# Allegro board PCIe3_0_X16_V1_0-166-20240802_20240828_pcb.brd (continued)
## Routing (per net, layer and track width the routed paths; a pad name or vN(x,y) marks a point on that pad's centre or on a via; arc(x,y) is an arc through that point) (continued)
BPI_FLASH_DQ_10: length 44.1
  TOP w0.127: U1.AG27 v1(116.32,71.23)
  TOP w0.155: U2.F3 v1(116.95,101.46)
  ART10 w0.086: v1(116.95,101.46) 116.95,101.52 116.42,102.06 115.73,102.06 115.35,102.44 115.35,102.79 115.23,102.92 113.78,102.92 113.36,102.5 113.36,101.21 112.71,100.56 111.8,100.56 110.91,99.67 110.91,89.51 110.59,89.19 110.59,84.01 110.79,83.81 110.79,72.03 111.1,71.73 115.82,71.73 v1(116.32,71.23)
BPI_FLASH_DQ_11: length 39.3
  TOP w0.127: U1.AH27 v1(117.32,71.23)
  TOP w0.155: U2.F4 v1(115.95,100.46)
  ART10 w0.086: v1(117.32,71.23) 116.83,71.72 116.83,72.78 116.91,72.87 117.16,72.87 117.25,72.95 117.25,73.13 117.16,73.21 116.91,73.21 116.83,73.3 116.83,74.47 115.56,75.74 115.11,75.74 114.83,76.02 114.83,83.36 114.55,83.64 114.25,83.64 113.97,83.92 113.97,84.26 113.74,84.48 113.56,84.48 113.47,84.57 113.47,84.74 113.56,84.83 113.81,84.83 113.89,84.92 113.89,85.09 113.81,85.17 113.56,85.17 113.47,85.26 113.47,85.43 113.56,85.52 113.74,85.52 113.83,85.61 113.83,85.78 113.74,85.87 113.56,85.87 113.47,85.95 113.47,86.12 113.56,86.21 113.74,86.21 113.83,86.3 113.83,86.47 113.74,86.56 113.56,86.56 113.47,86.64 113.47,86.82 113.56,86.9 113.74,86.9 113.83,86.99 113.83,87.16 113.74,87.25 113.56,87.25 113.47,87.33 113.47,87.51 113.56,87.59 113.74,87.59 113.83,87.68 113.83,87.85 113.74,87.94 113.56,87.94 113.47,88.02 113.47,88.2 113.56,88.28 113.74,88.28 113.83,88.37 113.83,88.54 113.74,88.63 113.56,88.63 113.47,88.72 113.47,88.89 113.56,88.97 113.74,88.97 113.83,89.06 113.83,89.23 113.74,89.32 113.56,89.32 113.47,89.41 113.47,89.58 113.56,89.67 113.74,89.67 113.83,89.75 113.83,89.92 113.74,90.01 113.56,90.01 113.47,90.1 113.47,90.27 113.56,90.36 113.74,90.36 113.83,90.44 113.83,90.62 113.74,90.7 113.56,90.7 113.47,90.79 113.47,90.96 113.56,91.05 113.74,91.05 113.83,91.13 113.83,92.02 114.5,92.7 114.5,94.2 115.5,95.2 115.5,99.95 115.95,100.4 v1(115.95,100.46)
BPI_FLASH_DQ_12: length 37.1
  TOP w0.127: U1.AK31 v1(119.32,75.23)
  TOP w0.155: U2.F5 v1(115.95,101.46)
  ART03 w0.086: v1(115.95,101.46) 115.53,101.04 115.53,99.83 116.27,99.1 116.27,96.04 117.92,94.39 117.92,93.14 118.15,92.91 118.94,92.91 119.03,93 119.03,93.51 119.12,93.6 119.29,93.6 119.38,93.51 119.38,93 119.46,92.91 119.63,92.91 119.72,93 119.72,93.51 119.81,93.6 119.98,93.6 120.07,93.51 120.07,93 120.31,92.76 120.31,92.53 120.86,91.97 121.96,91.97 122.49,91.44 122.49,84.84 121.85,84.2 121.85,78.94 121.58,78.66 120,78.66 119.71,78.37 119.71,75.62 v1(119.32,75.23)
BPI_FLASH_DQ_13: length 37.1
  TOP w0.127: U1.AL31 v1(120.32,75.23)
  TOP w0.155: U2.H5 v1(114.95,102.46)
  ART03 w0.086: v1(114.95,102.46) 115.35,102.07 116.21,102.07 116.52,101.75 116.52,96.29 118.83,93.98 120.33,93.98 120.46,94.11 121.17,94.11 121.37,93.91 121.5,93.59 121.5,92.86 122.22,92.14 122.34,92.14 122.5,92.3 122.62,92.3 122.74,92.18 122.74,92.05 122.59,91.9 122.59,91.77 122.79,91.57 122.79,85.27 122.88,85.19 123.01,85.19 123.1,85.1 123.1,84.93 123.01,84.84 122.88,84.84 122.79,84.75 122.79,84.63 122.13,83.97 122.13,78.23 121.68,77.77 120.18,77.77 119.93,77.53 119.93,75.62 v1(120.32,75.23)
BPI_FLASH_DQ_14: length 45.1
  TOP w0.127: U1.AM28 v1(121.32,71.23)
  TOP w0.155: U2.G7 v1(112.95,102.46)
  ART10 w0.086: v1(121.32,71.23) 121.32,71.8 122.2,72.68 122.4,72.68 122.91,73.2 122.91,83.51 124.2,84.79 124.29,85.02 124.29,98.65 123.43,99.52 121.14,99.52 118.68,101.98 116.88,101.98 116.44,102.41 116.44,102.74 116.22,102.97 115.81,102.97 115.4,103.38 115.4,103.61 115.12,103.89 113.52,103.89 112.95,103.31 v1(112.95,102.46)
BPI_FLASH_DQ_15: length 38.6
  TOP w0.127: U1.AM29 v1(121.32,73.23)
  TOP w0.155: U2.E7 v1(113.95,100.46)
  ART03 w0.086: v1(121.32,73.23) 120.86,72.77 116.14,72.77 115.93,72.98 115.93,78.43 116.13,78.63 116.57,78.63 116.91,78.97 116.91,79.42 117.11,79.62 117.54,79.62 117.93,80.01 117.93,80.44 118.12,80.63 118.62,80.63 118.81,80.82 118.81,83.82 115.61,87.02 115.61,94.26 114.55,95.32 114.55,99.87 v1(113.95,100.46)
BPI_FLASH_OE_B: length 49
  TOP w0.127: U1.AV29 v1(127.32,72.23)
  TOP w0.155: U2.F8 v1(111.95,101.46)
  ART03 w0.086: v1(111.95,101.46) 111.78,101.71 111.65,101.97 111.54,102.39 111.54,103.73 112.76,104.95 118.91,104.95 123.26,100.6 128.74,87.38 128.74,74.1 128.68,73.95 127.95,72.85 v1(127.32,72.23)
  BOTTOM w0.127: R25.2 111.2,102.21 v1(111.95,101.46)
BPI_FLASH_RST_B: length 6.1
  TOP w0.155: U2.D4 v1(116.95,98.46)
  BOTTOM w0.127: v1(116.95,98.46) 117.49,97.93 117.49,96.39 115.47,94.38 R5.2
BPI_FLASH_WAIT: length 41.5
  TOP w0.127: U1.AP33 v1(123.32,77.23)
  ART10 w0.086: v2(110.33,101.24) 110.79,102.66 111.22,103.69 111.31,103.84 111.68,104.2 112.76,104.65 115.02,104.65 115.73,104.51 116.97,103.99 117.62,103.56 117.89,103.38 119.81,101.46 123.71,99.84 124.6,98.96 124.6,84.99 123.76,82.97 123.76,78.21 123.66,77.83 123.44,77.41 v1(123.32,77.23)
  BOTTOM w0.127: R29.1 v2(110.33,101.24)
BPI_FLASH_WE_B: length 44.2
  TOP w0.127: U1.AV30 v1(126.32,74.23)
  TOP w0.155: U2.G8 v1(111.95,102.46)
  ART03 w0.086: v1(111.95,102.46) 111.95,102.75 112.41,103.2 112.41,103.71 113.05,104.35 118.62,104.35 122.53,100.44 127.9,87.47 127.9,75.81 v1(126.32,74.23)
  BOTTOM w0.127: R28.2 110.98,103.43 v1(111.95,102.46)
DDR4_1_POWER_GOOD: length 1.7
  TOP w0.203: U33.9 86.61,26.68 86.78,26.85 R290.1
DDR4_2_POWER_GOOD: length 1.4
  TOP w0.203: R295.1 U34.9
DDR_POWER_GOOD: length 193.5
  TOP w0.305: R295.2 v2(129.06,103.55) ; R290.2 v2(89.88,26.85)
  TOP w0.381: Q2.1 128.12,102.84 R292.2 128.14,102.84 R295.2
  ART05 w0.254: v2(129.06,103.55) 126.29,103.55 122.92,106.92 113.07,106.92 110.34,109.65 84.3,109.65 82.73,108.08 69.88,108.08 58.27,96.47 58.27,69.37 56.01,67.11 56.01,33.38 68.94,20.45 88.27,20.45 90.17,22.35 90.17,26.56 v2(89.88,26.85)
FPGA_CCLK: length 49.2
  TOP w0.127: U1.AB10 v1(111.32,53.23) ; v2(110.17,90.02) 110.86,90.7 R6.1
  ART10 w0.086: v1(111.32,53.23) 110.91,53.63 110.91,54.38 110.61,54.69 110.08,54.69 109.83,54.94 109.83,57.66 109.92,57.75 110.51,57.75 110.59,57.84 110.59,58.01 110.51,58.1 109.92,58.1 109.83,58.18 109.83,83.99 109.92,84.08 110.07,84.08 110.16,84.16 110.16,84.34 110.07,84.42 109.61,84.42 109.52,84.51 109.52,84.68 109.61,84.77 110.07,84.77 110.16,84.85 110.16,85.03 110.07,85.11 109.66,85.11 109.58,85.2 109.58,85.37 109.66,85.46 110.07,85.46 110.16,85.55 110.16,85.72 110.07,85.8 109.66,85.8 109.58,85.89 109.58,86.06 109.66,86.15 110.07,86.15 110.16,86.24 110.16,86.41 110.07,86.5 109.64,86.5 109.55,86.58 109.55,86.75 109.64,86.84 110.07,86.84 110.16,86.93 110.16,87.1 110.07,87.19 109.64,87.19 109.55,87.27 109.55,87.45 109.64,87.53 110.07,87.53 110.16,87.62 110.16,87.79 110.07,87.88 109.64,87.88 109.55,87.96 109.55,88.14 109.64,88.22 110.07,88.22 110.16,88.31 110.16,88.48 110.07,88.57 109.64,88.57 109.55,88.65 109.55,88.83 109.64,88.91 110.07,88.91 110.16,89 110.16,89.17 110.07,89.26 109.6,89.26 109.54,89.32 109.54,89.78 109.78,90.02 v2(110.17,90.02)
FPGA_DDR4_1_A0: length 118.8
  TOP w0.201: R78.1 67.29,39.19 70.16,39.19 U7.P3
  TOP w0.229: U5.P3 v1(70.75,90.87) ; U1.K28 v1(98.32,72.23) ; U7.P3 v1(70.75,40.58) ; U4.P3 v1(70.75,78.3) ; U8.P3 v1(70.75,65.73) ; U6.P3 v1(70.75,53.16)
  ART03 w0.155: v1(98.32,72.23) 97.93,72.23 97.78,72.38 97.78,74.47 97.52,74.73 97.14,74.73 96.76,75.11 96.76,76.5 96.51,76.76 96.12,76.76 95.74,77.14 95.74,80.81 95.9,80.96 96.1,80.96 96.25,81.12 96.25,81.43 96.1,81.58 95.9,81.58 95.74,81.74 95.74,83.54 95.32,83.96 95.04,83.96 91.32,87.68 84.84,87.68 84.69,87.84 84.69,88.62 84.53,88.77 84.22,88.77 84.07,88.62 84.07,87.84 83.91,87.68 83.6,87.68 83.45,87.84 83.45,88.87 83.27,89.05 82.98,89.05 82.83,88.9 82.83,87.84 82.67,87.68 82.36,87.68 82.21,87.84 82.21,88.36 82.05,88.52 81.74,88.52 81.59,88.36 81.59,87.84 81.43,87.68 81.01,87.68 80.07,88.62 71.33,88.62 70.88,89.08 70.88,89.39 71.03,89.54 71.56,89.54 71.74,89.72 71.74,90.01 71.59,90.16 70.9,90.16 70.75,90.32 v1(70.75,90.87)
  ART10 w0.086: v1(70.75,90.87) 70.36,89.94 69.86,89.44 69.47,89.28 68.05,87.86 67.92,87.55 67.92,83.25 68.49,80.38 68.78,79.68 68.94,79.53 69.32,79.53 69.57,79.27 69.95,79.27 70.75,78.48 v1(70.75,78.3) 70.75,77.65 67.92,74.83 67.92,70.68 68.49,67.81 68.78,67.11 68.94,66.95 69.32,66.95 69.57,66.7 69.95,66.7 70.75,65.91 v1(70.75,65.73) 70.75,65.11 67.92,62.28 67.92,58.1 68.49,55.24 68.78,54.54 68.94,54.38 69.32,54.38 69.57,54.13 69.95,54.13 70.75,53.34 v1(70.75,53.16) 70.32,52.13 67.92,49.73 67.92,44.01 68.02,43.53 68.58,42.16 68.94,41.81 69.32,41.81 69.57,41.55 69.95,41.55 70.75,40.76 v1(70.75,40.58)
FPGA_DDR4_1_A1: length 117.9
  TOP w0.201: R79.1 67.42,35.74 69.1,37.41 70.71,37.41 U7.P7
  TOP w0.229: U5.P7 v1(70.75,86.87) ; U8.P7 v1(70.75,61.73) ; U7.P7 v1(70.75,36.58) ; U6.P7 v1(70.75,49.16) ; U4.P7 v1(70.75,74.3) ; U1.H29 v1(96.32,73.23)
  ART03 w0.137: v1(70.75,86.87) 71.28,86.52 71.38,86.47 71.66,86.47 71.75,86.44 71.9,86.28 71.95,86.18 71.95,85.06
  ART03 w0.155: 71.95,85.06 72.76,84.25 83.76,84.25 83.91,84.1 83.91,83.47 84.07,83.31 84.38,83.31 84.53,83.47 84.53,84.1 84.69,84.25 85,84.25 85.15,84.1 85.15,82.88 85.33,82.7 85.62,82.7 85.77,82.86 85.77,84.1 85.93,84.25 86.24,84.25 86.39,84.1 86.39,82.76 86.57,82.58 86.86,82.58 87.01,82.73 87.01,84.1 87.17,84.25 87.48,84.25 87.63,84.1 87.63,82.53 87.81,82.35 88.1,82.35 88.25,82.5 88.25,84.1 88.4,84.25 88.71,84.25 88.87,84.1 88.87,82.83 89.02,82.68 89.33,82.68 89.49,82.83 89.49,83.64 89.64,83.79 91.65,83.79 91.81,83.64 91.81,78.03 92.06,77.77 92.48,77.77 92.82,77.43 92.82,76 93.17,75.65 93.5,75.65 93.84,75.31 93.84,74.98 94.17,74.65 94.5,74.65 94.71,74.44 94.85,74.1 95.22,73.73 95.57,73.73 v1(96.32,73.23)
  ART12 w0.086: v1(70.75,86.87) 70.75,86.61 71.15,86.21 71.15,85.95 70.87,85.67 70.62,85.67 70.35,85.4 70.35,83.93 69.17,82.76 69.17,81.2 68.75,80.77 68.75,76.93 70.75,74.93 v1(70.75,74.3) 70.75,74.04 71.15,73.64 71.15,73.37 70.87,73.1 70.62,73.1 70.35,72.83 70.35,71.36 69.97,70.99 69.85,70.99 69.76,71.08 69.64,71.08 69.51,70.96 69.51,70.84 69.61,70.74 69.61,70.62 68.75,69.76 68.75,64.35 70.75,62.35 v1(70.75,61.73) 70.75,61.46 71.15,61.06 71.15,60.8 70.87,60.53 70.62,60.53 70.35,60.26 70.35,58.79 69.97,58.41 69.85,58.41 69.76,58.51 69.64,58.51 69.51,58.39 69.51,58.26 69.61,58.17 69.61,58.05 68.75,57.19 68.75,51.78 70.75,49.78 v1(70.75,49.16) 70.75,48.89 71.15,48.49 71.15,48.23 70.87,47.96 70.62,47.96 70.35,47.68 70.35,46.21 69.97,45.84 69.85,45.84 69.76,45.94 69.64,45.94 69.51,45.81 69.51,45.69 69.61,45.6 69.61,45.48 68.9,44.76 68.9,42.85 68.75,42.7 68.75,39.21 70.75,37.21 v1(70.75,36.58)
FPGA_DDR4_1_A2: length 116.8
  TOP w0.201: R80.1 67.82,39.67 69.84,39.67 v1(69.95,39.78)
  TOP w0.229: U1.J29 v1(97.32,73.23) ; v1(69.95,39.78) U7.R3 ; U4.R3 v1(69.95,77.5) ; U6.R3 v1(69.95,52.36) ; U8.R3 v1(69.95,64.93) ; U5.R3 v1(69.95,90.07)
  ART03 w0.137: 82.16,85.67 76.16,85.67
  ART03 w0.155: v1(69.95,90.07) 69.76,89.89 68.75,89.89 68.59,89.74 68.59,87.96 68.75,87.81 75.04,87.81 75.75,87.1 75.75,86.09 76.16,85.67 ; 82.16,85.67 82.33,85.67 82.69,86.03 85.14,86.03 85.29,85.87 85.29,85.52 85.45,85.37 85.76,85.37 85.91,85.52 85.91,85.87 86.07,86.03 86.38,86.03 86.53,85.87 86.53,85.52 86.69,85.37 87,85.37 87.15,85.52 87.15,85.87 87.3,86.03 87.61,86.03 87.77,85.87 87.77,85.52 87.92,85.37 88.23,85.37 88.39,85.52 88.39,85.98 88.54,86.13 88.85,86.13 89.01,85.98 89.01,85.42 89.16,85.27 89.47,85.27 89.63,85.42 89.63,85.87 89.78,86.03 90.09,86.03 90.25,85.87 90.25,85.4 90.4,85.24 90.71,85.24 90.87,85.4 90.87,86.07 90.98,86.18 91.2,86.18 93.84,83.54 93.84,77.03 94.79,76.07 94.85,76.07 95.18,75.74 95.44,75.74 95.74,75.44 95.74,75.16 96.18,74.73 96.45,74.73 96.76,74.42 96.76,74.09 97.32,73.53 v1(97.32,73.23)
  ART10 w0.086: v1(69.95,39.78) 70.34,40.17 70.34,40.79 69.83,41.3 69.45,41.3 69.19,41.56 68.79,41.56 68.31,42.04 67.82,42.94 67.67,43.73 67.67,49.91 69.95,52.19 v1(69.95,52.36) 69.95,52.56 70.34,52.95 70.34,53.37 69.83,53.87 69.45,53.87 69.19,54.13 68.69,54.13 68.37,54.45 68.03,55.28 67.67,57.08 67.67,62.46 69.95,64.74 v1(69.95,64.93) 70.34,65.32 70.34,65.94 69.83,66.45 69.45,66.45 69.19,66.7 68.69,66.7 68.37,67.02 68.03,67.85 67.67,69.65 67.67,75.01 69.95,77.28 v1(69.95,77.5) 70.16,77.72 70.34,78.14 70.34,78.51 69.83,79.02 69.45,79.02 69.19,79.28 68.71,79.28 68.51,79.47 68.04,80.61 67.67,82.48 67.67,87.93 69.81,90.07 v1(69.95,90.07)
FPGA_DDR4_1_A3: length 118.9
  TOP w0.201: R82.1 72.01,32.07 72.38,32.44 72.38,33.02 v1(71.87,33.53)
  TOP w0.229: U1.M30 v1(100.32,74.23) ; U5.N7 v1(71.55,86.87) ; U8.N7 v1(71.55,61.73) ; U4.N7 v1(71.55,74.3) ; U7.N7 v1(71.55,36.58) ; U6.N7 v1(71.55,49.16)
  ART05 w0.137: v1(71.55,86.87) 71.55,89.14 72.5,90.1 72.75,90.68 72.75,91.04 72.98,91.27 73.3,91.27 73.3,91.28 73.31,91.28 73.55,91.51 73.55,91.52 73.55,91.85 73.77,92.07 82.28,92.07 ; v1(71.87,33.53) 71.95,33.61 71.95,36.18 v1(71.55,36.58)
  ART05 w0.155: v1(100.32,74.23) 100.74,74.93 100.82,75.08 100.82,75.15 100.95,75.47 101.14,75.66 101.49,75.8 101.75,76.06 101.84,76.27 101.84,84.53 100.74,87.18 96.68,91.24 94.04,91.24 93.76,91.52 92.82,91.52 92.67,91.67 92.67,91.87 92.51,92.02 92.2,92.02 92.05,91.87 92.05,91.67 91.89,91.52 91.5,91.52 90.94,92.07 82.28,92.07
  ART12 w0.086: v1(71.55,36.58) 71.55,37.55 70.35,38.75 70.35,44 70.87,44.53 71,44.53 71.15,44.37 71.28,44.37 71.4,44.5 71.4,44.62 71.24,44.78 71.24,44.9 71.36,45.02 71.48,45.02 71.65,44.85 71.78,44.85 71.9,44.97 71.9,45.09 71.73,45.26 71.73,45.39 71.95,45.6 71.95,48.58 71.55,48.98 v1(71.55,49.16) 71.55,50.12 70.35,51.32 70.35,56.58 70.87,57.1 71,57.1 71.15,56.95 71.28,56.95 71.4,57.07 71.4,57.19 71.24,57.35 71.24,57.47 71.36,57.59 71.48,57.59 71.65,57.42 71.78,57.42 71.9,57.55 71.9,57.67 71.73,57.84 71.73,57.96 71.95,58.18 71.95,61.15 71.55,61.55 v1(71.55,61.73) 71.55,62.7 70.35,63.9 70.35,69.15 70.87,69.68 71,69.68 71.15,69.52 71.28,69.52 71.4,69.64 71.4,69.76 71.24,69.92 71.24,70.04 71.36,70.17 71.48,70.17 71.65,70 71.78,70 71.9,70.12 71.9,70.24 71.73,70.41 71.73,70.53 71.95,70.75 71.95,73.73 71.55,74.13 v1(71.55,74.3) 71.55,75.27 70.35,76.47 70.35,81.72 70.87,82.25 71,82.25 71.15,82.09 71.28,82.09 71.4,82.22 71.4,82.34 71.24,82.5 71.24,82.62 71.36,82.74 71.48,82.74 71.65,82.57 71.78,82.57 71.9,82.69 71.9,82.81 71.73,82.98 71.73,83.11 71.95,83.32 71.95,86.3 71.55,86.7 v1(71.55,86.87)
FPGA_DDR4_1_A4: length 121.5
  TOP w0.201: U7.N3 70.49,38.72 67.23,38.72 67.17,38.79 R83.1
  TOP w0.229: U5.N3 v1(71.55,90.87) ; U6.N3 v1(71.55,53.16) ; U4.N3 v1(71.55,78.3) ; U7.N3 v1(71.55,40.58) ; U1.L29 v1(99.32,73.23) ; U8.N3 v1(71.55,65.73)
  ART03 w0.155: v1(71.55,90.87) 72.3,90.12 72.3,89.28 72.46,89.13 72.77,89.13 72.92,89.28 72.92,89.79 73.08,89.94 73.39,89.94 73.54,89.79 73.54,89.28 73.7,89.13 74.01,89.13 74.16,89.28 74.16,89.79 74.32,89.94 74.63,89.94 74.78,89.79 74.78,89.28 74.94,89.13 75.25,89.13 75.4,89.28 75.4,89.79 75.56,89.94 75.87,89.94 76.02,89.79 76.02,89.28 76.18,89.13 76.48,89.13 76.64,89.28 76.64,89.79 76.79,89.94 77.1,89.94 77.26,89.79 77.26,89.28 77.41,89.13 77.72,89.13 77.88,89.28 77.88,89.79 78.03,89.94 78.34,89.94 78.5,89.79 78.5,89.28 78.65,89.13 78.96,89.13 79.12,89.28 79.12,89.79 79.27,89.94 79.58,89.94 79.74,89.79 79.74,89.28 79.89,89.13 80.2,89.13 80.36,89.28 80.36,89.79 80.51,89.94 80.92,89.94 81.07,89.79 81.07,89.54 81.23,89.38 81.54,89.38 81.69,89.54 81.69,89.79 81.85,89.94 82.41,89.94 82.79,89.56 85.28,89.56 85.6,89.24 85.6,89.02 85.21,88.63 85.21,88.41 85.43,88.19 85.64,88.19 86.04,88.58 86.25,88.58 86.57,88.27 91.5,88.27 96.76,83.01 96.76,82.66 96.6,82.5 96.41,82.5 96.25,82.35 96.25,82.04 96.41,81.88 96.6,81.88 96.76,81.73 96.76,77.14 97.14,76.76 97.52,76.76 97.78,76.5 97.78,75.11 98.16,74.73 98.54,74.73 98.79,74.47 98.79,74.09 99.32,73.56 v1(99.32,73.23)
  ART10 w0.086: v1(71.55,40.58) 71.55,40.72 71.15,41.12 71.15,41.51 70.85,41.81 70.59,41.81 70.34,42.06 70.34,42.95 69.18,44.11 68.48,45.79 68.48,49.4 71.55,52.47 v1(71.55,53.16) 71.55,53.4 71.15,53.8 71.15,54.08 70.85,54.38 70.59,54.38 70.34,54.64 70.34,55.52 69.18,56.68 68.48,58.36 68.48,61.98 71.55,65.04 v1(71.55,65.73) 71.55,65.97 71.15,66.37 71.15,66.66 70.85,66.95 70.59,66.95 70.34,67.21 70.34,68.1 69.18,69.25 68.48,70.94 68.48,74.55 71.55,77.61 v1(71.55,78.3) 71.55,78.52 71.15,78.92 71.15,79.23 70.85,79.53 70.59,79.53 70.34,79.78 70.34,80.67 69.18,81.83 68.48,83.51 68.48,87.35 68.64,87.74 69.47,88.57 69.91,88.75 71.2,90.05 v1(71.55,90.87)
FPGA_DDR4_1_A5: length 117.1
  TOP w0.201: v1(70.85,33.53) 71.36,33.02 71.36,32.52 70.91,32.07 R84.1
  TOP w0.229: U7.P8 v1(70.75,35.78) ; U8.P8 v1(70.75,60.93) ; U1.H28 v1(96.32,72.23) ; U4.P8 v1(70.75,73.5) ; U5.P8 v1(70.75,86.07) ; U6.P8 v1(70.75,48.36)
  ART03 w0.137: 71.36,84.89 71.15,85.1 71.15,85.67 v1(70.75,86.07)
  ART03 w0.155: 71.36,84.89 72.43,83.82 72.69,83.82 72.84,83.67 72.84,83.21 73,83.06 73.3,83.06 73.46,83.21 73.46,83.67 73.61,83.82 73.92,83.82 74.08,83.67 74.08,82.78 74.23,82.63 74.54,82.63 74.7,82.78 74.7,83.67 74.85,83.82 75.16,83.82 75.32,83.67 75.32,82.78 75.47,82.63 75.78,82.63 75.94,82.78 75.94,83.67 76.09,83.82 76.4,83.82 76.56,83.67 76.56,82.78 76.71,82.63 77.02,82.63 77.18,82.78 77.18,83.67 77.33,83.82 77.64,83.82 77.8,83.67 77.8,82.78 77.95,82.63 78.26,82.63 78.42,82.78 78.42,83.67 78.57,83.82 78.88,83.82 79.04,83.67 79.04,82.78 79.19,82.63 79.5,82.63 79.66,82.78 79.66,83.67 79.81,83.82 80.12,83.82 80.28,83.67 80.28,82.78 80.43,82.63 80.74,82.63 80.9,82.78 80.9,83.67 81.05,83.82 81.36,83.82 81.52,83.67 81.52,83.29 81.67,83.13 81.98,83.13 82.14,83.29 82.14,83.54 82.29,83.69 82.84,83.69 84.8,81.74 90.54,81.74 90.79,81.48 90.79,77.14 91.17,76.76 91.43,76.76 91.81,76.38 91.81,76.12 92.19,75.74 92.44,75.74 92.82,75.36 92.82,75.11 93.2,74.73 93.46,74.73 93.84,74.35 93.84,74.09 94.22,73.71 94.47,73.71 94.85,73.33 94.85,73.08 95.24,72.69 95.85,72.69 v1(96.32,72.23)
  ART05 w0.137: v1(70.85,33.53) 71.15,33.82 71.15,35.38 v1(70.75,35.78)
  ART12 w0.086: v1(70.75,35.78) 70.75,35.94 70.34,36.35 70.34,37.11 67.97,39.47 67.97,44.65 69.07,45.75 69.55,46.9 69.55,47.75 69.78,47.98 70.16,47.98 70.53,48.36 v1(70.75,48.36) 70.75,48.51 70.34,48.92 70.34,49.68 67.92,52.1 67.92,57.33 68.86,58.27 69.55,59.92 69.55,60.32 69.78,60.56 70.16,60.56 70.53,60.93 v1(70.75,60.93) 70.75,61.08 70.34,61.49 70.34,62.26 67.92,64.67 67.92,69.9 68.86,70.84 69.55,72.49 69.55,72.9 69.78,73.13 70.16,73.13 70.53,73.5 v1(70.75,73.5) 70.75,73.66 70.34,74.07 70.34,74.83 68.22,76.95 67.92,77.66 67.92,80.5 69.55,84.42 69.55,85.47 69.78,85.7 70.16,85.7 70.53,86.07 v1(70.75,86.07)
FPGA_DDR4_1_A6: length 116.9
  TOP w0.152: v1(70.75,41.38) 69.45,41.38 69.14,41.51 68.56,42.09 68.56,42.37
  TOP w0.201: 68.56,42.37 68.56,42.73 67.42,43.87 R85.1
  TOP w0.229: U5.P2 v1(70.75,91.67) ; U7.P2 v1(70.75,41.38) ; U6.P2 v1(70.75,53.96) ; U1.H32 v1(96.32,76.23) ; U4.P2 v1(70.75,79.1) ; U8.P2 v1(70.75,66.53)
  ART03 w0.137: v1(70.75,91.67) 70.35,91.27 70.35,89.67
  ART03 w0.155: v1(96.32,76.23) 96.02,76.23 95.49,76.76 95.11,76.76 94.85,77.01 94.85,83.44 91.1,87.2 90.33,87.2 90.18,87.04 90.18,86.67 90.02,86.51 89.71,86.51 89.56,86.67 89.56,87.04 89.4,87.2 89.09,87.2 88.94,87.04 88.94,86.77 88.78,86.61 88.47,86.61 88.32,86.77 88.32,87.04 88.16,87.2 87.85,87.2 87.7,87.04 87.7,86.72 87.54,86.56 87.23,86.56 87.08,86.72 87.08,87.04 86.92,87.2 86.61,87.2 86.46,87.04 86.46,86.72 86.3,86.56 85.99,86.56 85.84,86.72 85.84,87.04 85.68,87.2 85.37,87.2 85.22,87.04 85.22,86.82 85.06,86.66 84.75,86.66 84.6,86.82 84.6,87.04 84.44,87.2 84.13,87.2 83.98,87.04 83.98,86.82 83.82,86.66 83.51,86.66 83.36,86.82 83.36,87.04 83.2,87.2 82.89,87.2 82.74,87.04 82.74,86.82 82.58,86.66 82.27,86.66 82.12,86.82 82.12,87.04 81.96,87.2 80.86,87.2 79.92,88.14 70.68,88.14 70.52,88.29 70.52,88.72 70.37,88.87 70.06,88.87 69.9,88.72 69.9,88.29 69.75,88.14 69.25,88.14 69.02,88.37 69.02,89.2 69.18,89.36 70.04,89.36 70.35,89.67
  ART10 w0.086: v1(70.75,91.67) 71.12,91.3 71.12,90.76 70.83,90.05 69.86,89.09 69.47,88.93 68.34,87.8 68.18,87.4 68.18,83.45 68.97,81.53 68.93,81.43 69.07,81.09 69.17,81.05 69.55,80.14 69.55,79.73 69.75,79.53 70.08,79.53 70.51,79.1 v1(70.75,79.1) 70.75,78.94 71.12,78.56 71.12,77.59 68.18,74.65 68.18,70.88 68.97,68.96 68.93,68.86 69.07,68.52 69.17,68.48 69.55,67.57 69.55,67.16 69.75,66.95 70.08,66.95 70.51,66.53 v1(70.75,66.53) 70.75,66.29 71.12,65.92 71.12,65.05 68.18,62.1 68.18,58.3 68.97,56.39 68.93,56.29 69.07,55.95 69.17,55.91 69.55,54.99 69.55,54.59 69.75,54.38 70.08,54.38 70.51,53.96 v1(70.75,53.96) 70.75,53.79 71.12,53.42 71.12,52.47 68.18,49.53 68.18,45.73 68.97,43.81 68.93,43.72 69.07,43.37 69.17,43.33 69.55,42.42 69.55,42.01 69.75,41.81 70.08,41.81 70.51,41.38 v1(70.75,41.38)
FPGA_DDR4_1_A7: length 114.6
  TOP w0.229: U7.R8 v1(69.95,35.78) ; U1.G31 v1(95.32,75.23) ; U8.R8 v1(69.95,60.93) ; U5.R8 v1(69.95,86.07) ; U6.R8 v1(69.95,48.36) ; U4.R8 v1(69.95,73.5)
  ART03 w0.137: v1(69.95,35.78) 69.55,35.38 69.55,34.05 69.38,33.88 69.38,33.22 v1(69.84,32.77)
  ART05 w0.137: v1(69.95,86.07) 69.55,85.67 69.55,85.01
  ART05 w0.155: 69.55,85.01 69.55,84.79 70.01,84.33 71.6,84.33 71.76,84.17 71.76,83.59 71.91,83.44 72.22,83.44 72.38,83.59 72.38,84.17 72.53,84.33 72.84,84.33 73,84.17 73,83.59 73.15,83.44 73.46,83.44 73.62,83.59 73.62,84.17 73.77,84.33 74.08,84.33 74.24,84.17 74.24,83.59 74.39,83.44 74.7,83.44 74.86,83.59 74.86,84.17 75.01,84.33 75.32,84.33 75.47,84.17 75.47,83.59 75.63,83.44 75.94,83.44 76.09,83.59 76.09,84.17 76.25,84.33 76.63,84.33 76.79,84.17 76.79,83.62 76.94,83.46 77.25,83.46 77.41,83.62 77.41,84.17 77.56,84.33 77.87,84.33 78.03,84.17 78.03,83.62 78.18,83.46 78.49,83.46 78.65,83.62 78.65,84.17 78.8,84.33 79.11,84.33 79.27,84.17 79.27,83.62 79.42,83.46 79.73,83.46 79.89,83.62 79.89,84.17 80.04,84.33 80.35,84.33 80.51,84.17 80.51,83.62 80.66,83.46 80.97,83.46 81.13,83.62 81.13,84.17 81.28,84.33 81.65,84.33 82.05,83.92 85.71,83.92 86.98,82.65 87.85,82.65 88,82.5 88,82.04 88.16,81.89 88.47,81.89 88.62,82.04 88.62,82.5 88.78,82.65 89.62,82.65 89.85,82.42 89.85,81.94 90.08,81.71 90.59,81.71 90.79,81.51 90.79,81 91.02,80.77 93.58,80.77 93.84,80.52 93.84,77.01 94.09,76.76 94.47,76.76 94.85,76.38 94.85,75.87 95.32,75.4 v1(95.32,75.23)
  ART12 w0.086: v1(69.95,35.78) 69.95,36.99 67.62,39.32 67.62,44.83 68.47,45.69 68.68,46.19 68.68,46.58 68.77,46.67 68.83,46.67 68.91,46.75 68.91,46.92 68.83,47.01 68.77,47.01 68.68,47.1 68.68,47.78 68.86,47.96 69.27,47.96 69.67,48.36 v1(69.95,48.36) 69.95,49.56 67.54,51.97 67.54,57.94 68.05,58.44 68.3,58.44 68.68,58.83 68.68,60.35 68.86,60.53 69.27,60.53 69.67,60.93 v1(69.95,60.93) 69.95,62.14 67.54,64.54 67.54,70.51 68.05,71.02 68.3,71.02 68.68,71.4 68.68,72.92 68.86,73.1 69.27,73.1 69.67,73.5 v1(69.95,73.5) 69.95,74.71 67.54,77.11 67.54,83.08 68.05,83.59 68.3,83.59 68.68,83.97 68.68,85.5 68.86,85.67 69.27,85.67 69.67,86.07 v1(69.95,86.07)
  BOTTOM w0.201: R86.1 v1(69.84,32.77)
FPGA_DDR4_1_A8: length 121
  TOP w0.229: U6.R2 v1(69.95,53.16) ; U7.R2 v1(69.95,40.58) ; U5.R2 v1(69.95,90.87) ; U4.R2 v1(69.95,78.3) ; U1.J28 v1(97.32,72.23) ; U8.R2 v1(69.95,65.73)
  ART03 w0.137: v1(70.85,32.77) 70.35,33.27 70.35,40.18 v1(69.95,40.58)
  ART03 w0.155: v1(69.95,90.87) 69.4,90.33 68.42,90.33 67.98,89.89 67.98,87.76 68.44,87.3 74.92,87.3 75.24,86.97 75.24,85.7 76.19,84.76 82.64,84.76 82.8,84.91 82.8,85.32 82.95,85.47 83.26,85.47 83.42,85.32 83.42,84.91 83.57,84.76 83.88,84.76 84.04,84.91 84.04,85.32 84.19,85.47 84.5,85.47 84.66,85.32 84.66,84.91 84.81,84.76 89.25,84.76 89.56,84.45 89.87,84.45 90.18,84.76 90.49,84.76 90.8,84.45 91.11,84.45 91.42,84.76 91.7,84.76 92.82,83.64 92.82,77.99 93.22,77.6 93.22,77 93.84,76.38 93.84,76.07 94.18,75.73 94.49,75.73 94.85,75.36 94.85,75.06 95.18,74.73 95.49,74.73 95.74,74.47 95.74,74.21 96.22,73.73 96.42,73.73 96.8,73.35 96.8,72.75 v1(97.32,72.23)
  ART10 w0.086: v1(69.95,90.87) 69.95,90.7 67.41,88.16 67.41,80.64 67.87,79.54 68.41,79 68.96,79 69.19,78.77 69.57,78.77 69.95,78.39 v1(69.95,78.3) 69.95,78.12 69.52,77.7 69.52,77.32 67.41,75.21 67.41,68.07 67.87,66.97 68.41,66.43 68.96,66.43 69.19,66.19 69.57,66.19 69.95,65.82 v1(69.95,65.73) 69.95,65.55 69.52,65.13 69.52,64.74 67.41,62.64 67.41,55.5 67.87,54.4 68.41,53.86 68.96,53.86 69.19,53.62 69.57,53.62 69.95,53.25 v1(69.95,53.16) 69.95,53.1 69.57,52.73 69.57,52.25 69.09,51.77 68.91,51.77 67.41,50.27 67.41,43.42 67.58,42.57 67.92,41.95 68.58,41.28 68.96,41.28 69.19,41.05 69.57,41.05 69.95,40.67 v1(69.95,40.58)
  BOTTOM w0.201: R87.1 v1(70.85,32.77)
FPGA_DDR4_1_A9: length 118.2
  TOP w0.127: v1(69.15,61.73) 69.95,61.73 U8.R7 ; U7.R7 69.95,36.58 v1(69.15,36.58) ; U4.R7 69.95,74.3 v1(69.15,74.3) ; U6.R7 69.95,49.16 v1(69.15,49.16) ; U5.R7 69.95,86.87 v1(69.15,86.87)
  TOP w0.201: v1(69.15,36.58) 67.29,34.72 R88.1
  TOP w0.229: U1.F30 v1(94.32,74.23)
  ART05 w0.155: v1(94.32,74.23) 94.32,74.5 93.82,75 93.82,75.51 93.58,75.74 93.08,75.74 92.82,76 92.82,77.48 92.51,77.8 92.06,77.8 91.81,78.05 91.81,78.46 91.58,78.69 88.1,78.69 84.85,81.94 80.15,81.94 79.87,81.66 78.33,81.66 78.1,81.89 77.63,81.89 77.4,81.66 76.87,81.66 76.72,81.82 76.72,82.27 76.56,82.42 76.25,82.42 76.1,82.27 76.1,81.82 75.94,81.66 75.63,81.66 75.48,81.82 75.48,82.27 75.32,82.42 75.01,82.42 74.86,82.27 74.86,81.82 74.7,81.66 74.39,81.66 74.24,81.82 74.24,82.27 74.08,82.42 73.77,82.42 73.62,82.27 73.62,81.82 73.46,81.66 73.15,81.66 73,81.82 73,82.27 72.84,82.42 72.53,82.42 72.38,82.27 72.38,81.82 72.22,81.66 71.91,81.66 71.76,81.82 71.76,82.27 71.6,82.42 71.29,82.42 71.14,82.27 71.14,81.82 70.98,81.66 70.67,81.66 70.52,81.82 70.52,82.27 70.36,82.42 70.05,82.42 69.9,82.27 69.9,81.82 69.74,81.66 69.43,81.66 69.28,81.82 69.28,82.27 69.12,82.42 68.81,82.42 68.66,82.27 68.66,81.82 68.5,81.66 68.11,81.66 67.78,81.99 67.78,82.66 67.93,82.82 67.98,82.82 68.13,82.97 68.13,83.28 67.98,83.44 67.93,83.44 67.78,83.59 67.78,83.9 67.93,84.06 67.98,84.06 68.13,84.21 68.13,84.52 67.98,84.67 67.93,84.67 67.78,84.83 67.78,85.14 67.93,85.29 67.98,85.29 68.13,85.45 68.13,85.76 67.98,85.91 67.93,85.91 67.78,86.07 67.78,86.56 68.09,86.87 v1(69.15,86.87)